# KiCad board fercus-right.kicad_pcb
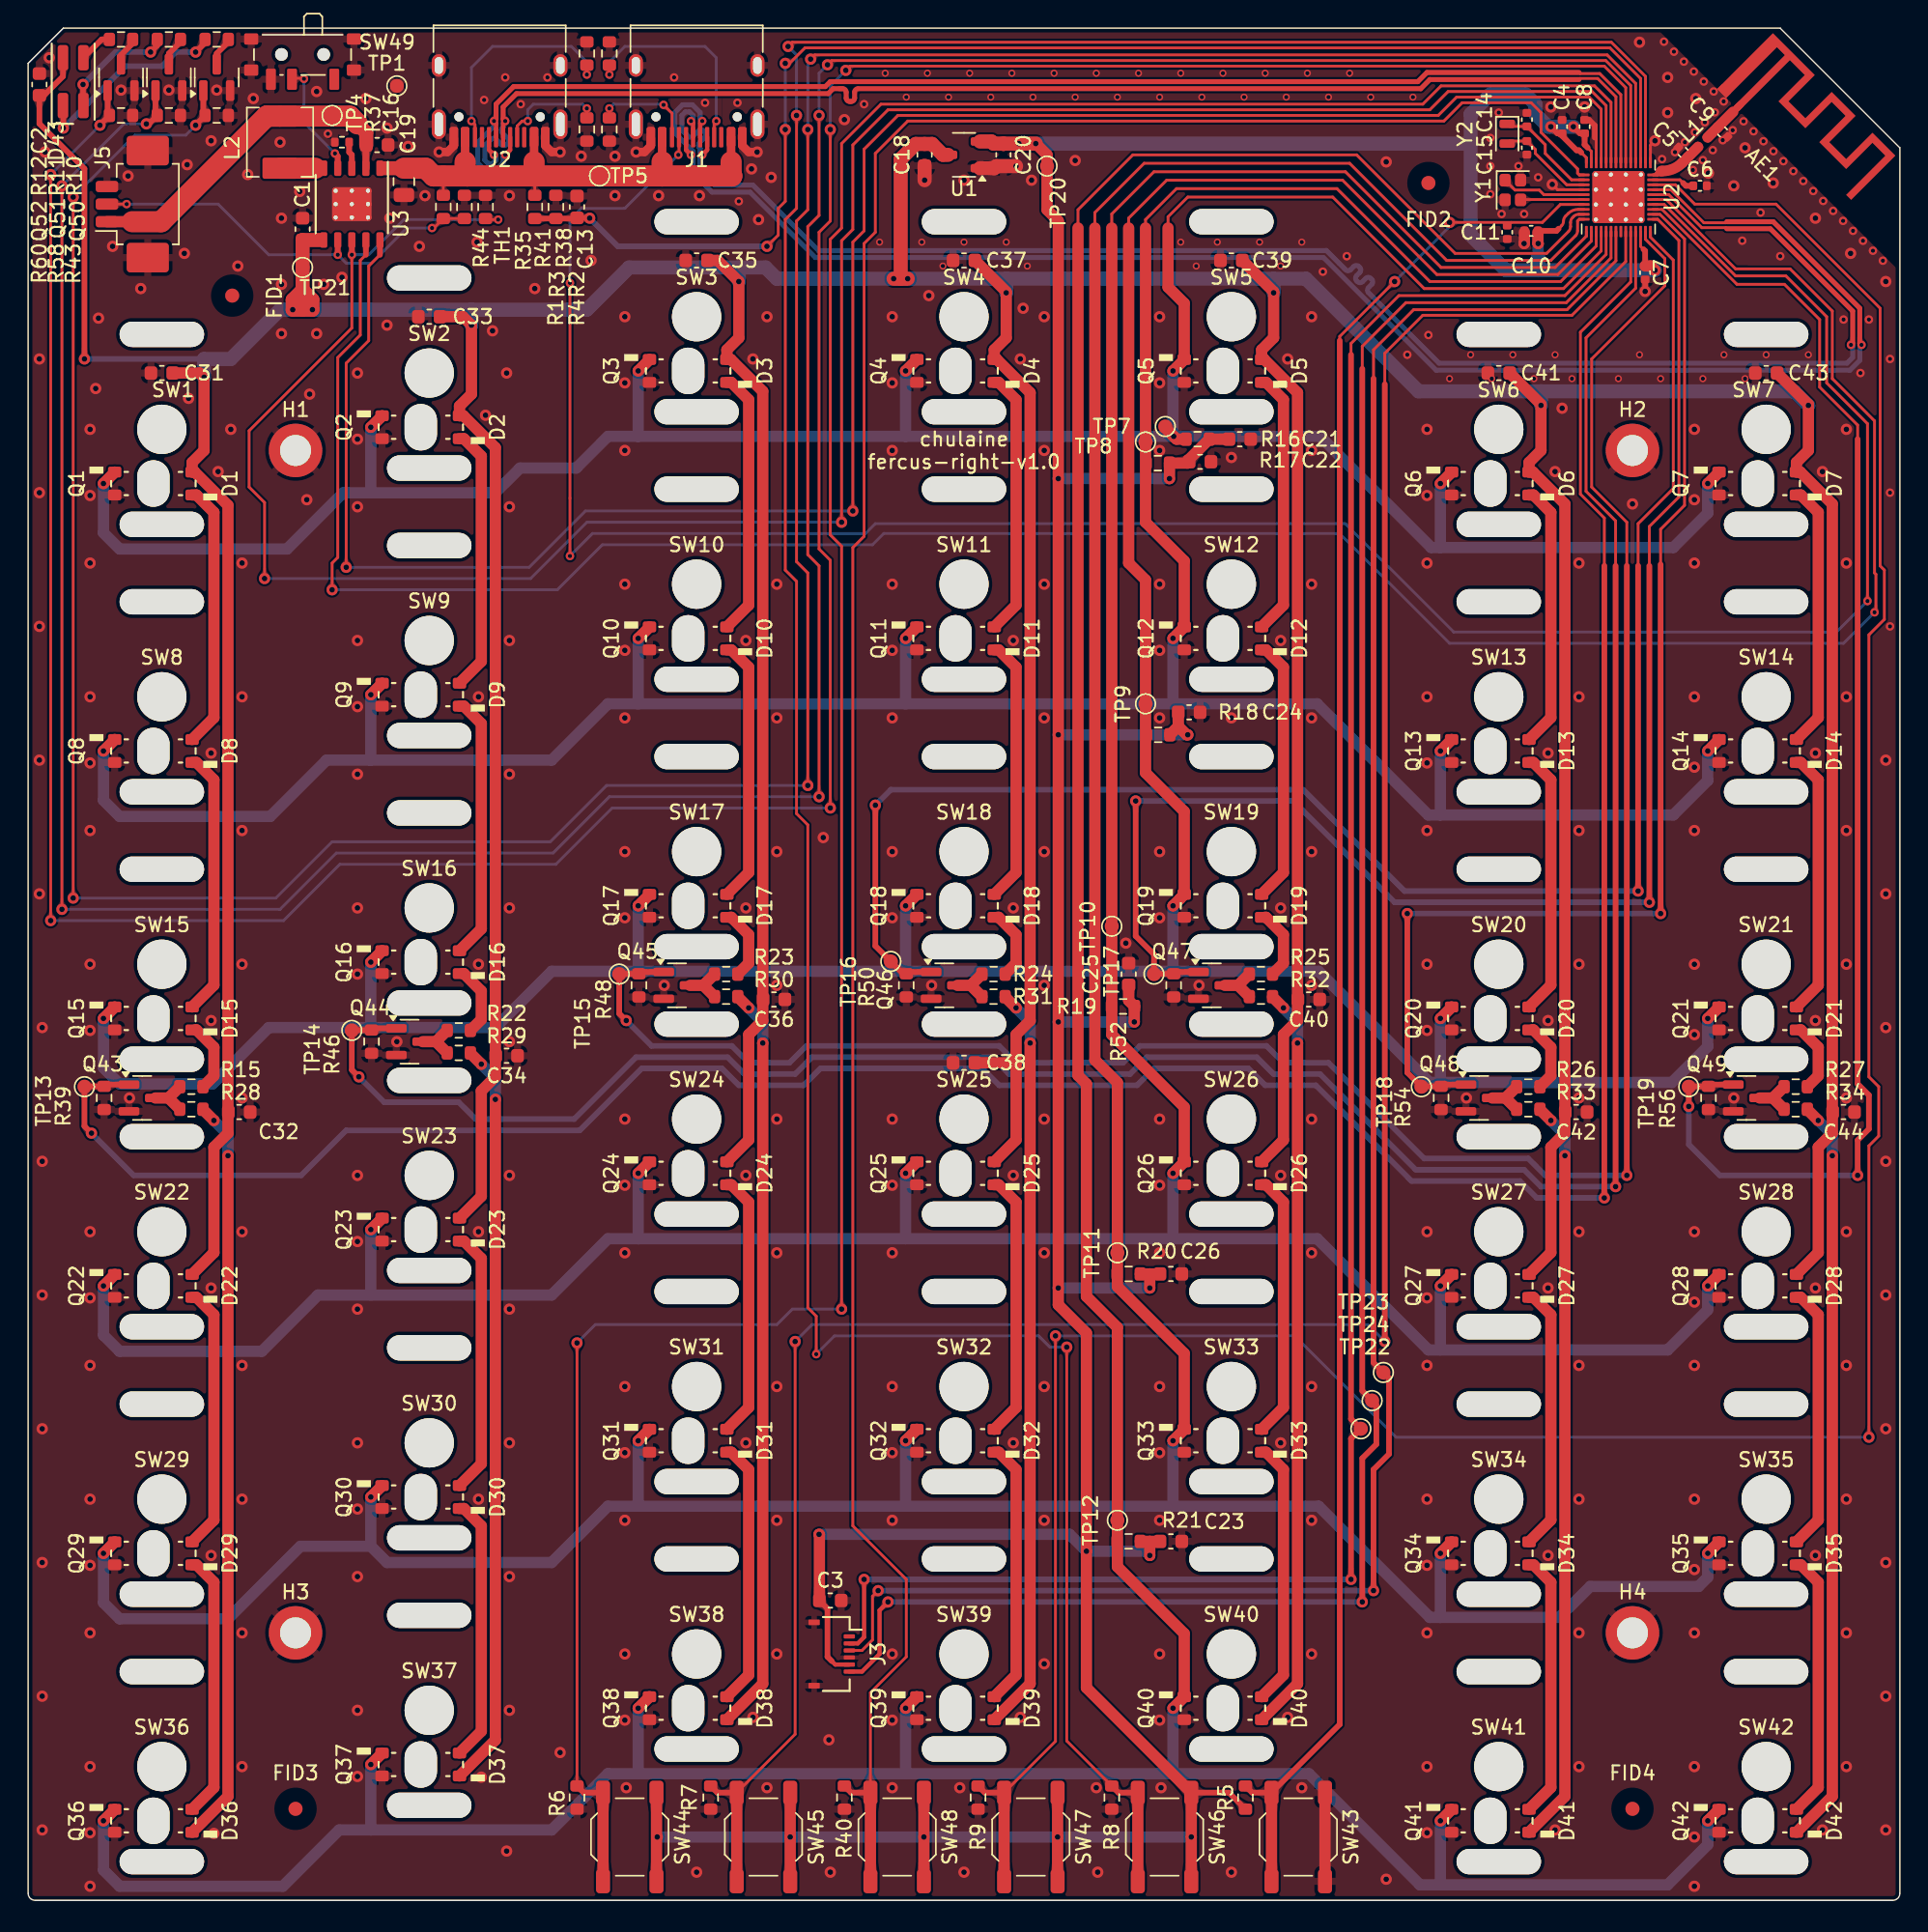
[diagram p0: board, top side]
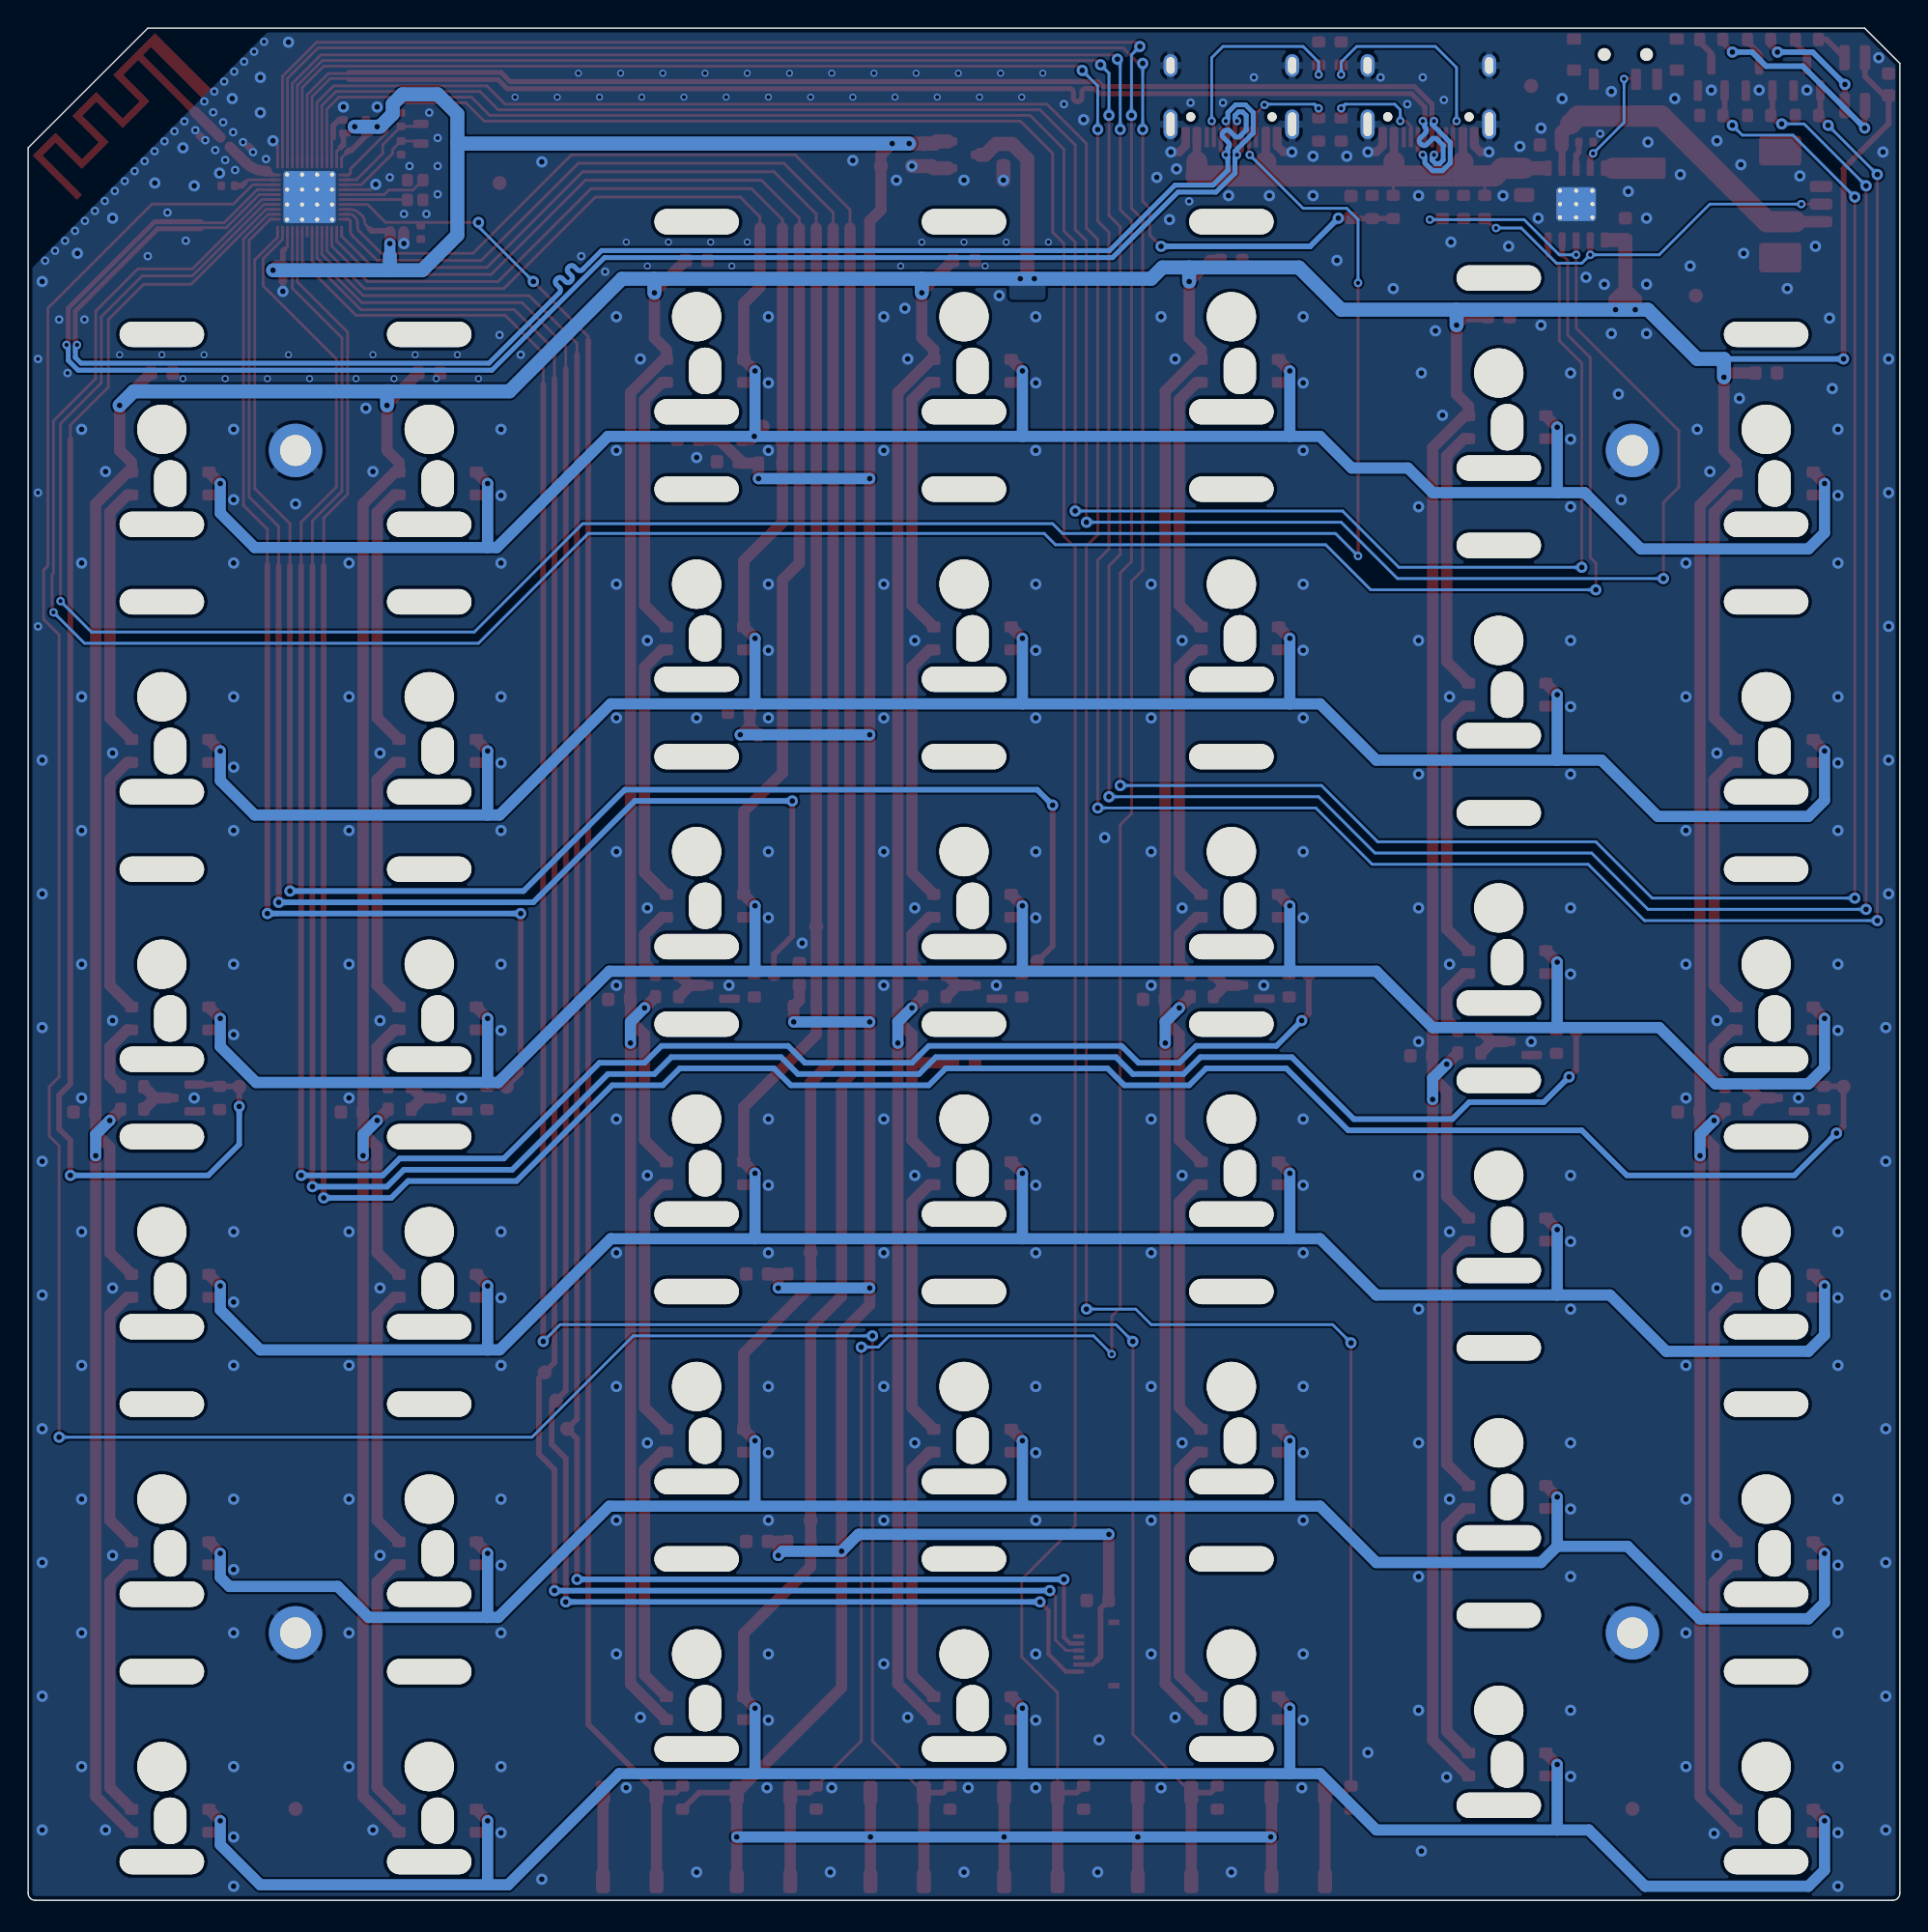
[diagram p1: board, bottom side, seen from below]

Outline 133 x 133 mm; copper layers: Top, Bottom. Coordinates in mm from the lower left corner of the outline.
Outline path: 0,0.5 0,130.5 2.5,133 124.5,133 133,124.5 133,0.5 arc(132.85,0.15) 132.5,0 0.5,0 arc(0.15,0.15) 0,0.5
Stack: Top 0.035mm / dielectric 1.51mm FR4 er 4.5 / Bottom 0.035mm

## Placement (name value [footprint] x y rotation side)
AE1  Antenna_Shield  [WCH_MIFA-1_2.4GHz_1.6mm_FR4_Right]  121.4 127.3 315 top
C1  22uF  [C_0603_1608Metric]  19.5 118.72 90 top
C2  100nF  [C_0603_1608Metric]  0.8 129 90 top
C3  100nF  [C_0603_1608Metric]  57 21.3 0 top
C4  100nF  [C_0402_1005Metric]  109 126 90 top
C5  1.8pF  [C_0402_1005Metric]  117.6 124.18 135 top
C6  1uF  [C_0402_1005Metric]  118.8 121.8 0 top
C7  100nF  [C_0402_1005Metric]  114.9 115.62 270 top
C8  100nF  [C_0402_1005Metric]  110.6 126 90 top
C9  1.8pF  [C_0402_1005Metric]  120.4 125.62 315 top
C10  100nF  [C_0402_1005Metric]  106.8 118.6 180 top
C11  100nF  [C_0402_1005Metric]  105.1 118.5 270 top
C13  100nF  [C_0603_1608Metric]  39 120.3 90 top
C14  12pF  [C_0402_1005Metric]  106.5 126.5 90 top
C15  12pF  [C_0402_1005Metric]  106.5 124.5 270 top
C16  10uF  [C_0603_1608Metric]  24.8 124.7 0 top
C18  1uF  [C_0603_1608Metric]  63.7 124 270 top
C19  10uF  [C_0805_2012Metric]  26.7 122.1 270 top
C20  1uF  [C_0603_1608Metric]  69.3 124 270 top
C21  100nF  [C_0603_1608Metric]  86.1 103.8 0 top
C22  100nF  [C_0603_1608Metric]  83.28 102.2 0 top
C23  100nF  [C_0603_1608Metric]  81.2 25.5 0 top
C24  100nF  [C_0603_1608Metric]  82.5 84.4 0 top
C25  100nF  [C_0603_1608Metric]  78.2 65.8 90 top
C26  100nF  [C_0603_1608Metric]  81.2 44.5 0 top
C31  100nF  [C_0603_1608Metric]  9.5 108.5 0 top
C32  100nF  [C_0603_1608Metric]  15 56 180 top
C33  100nF  [C_0603_1608Metric]  28.5 112.5 0 top
C34  100nF  [C_0603_1608Metric]  34 60 180 top
C35  100nF  [C_0603_1608Metric]  47.5 116.5 0 top
C36  100nF  [C_0603_1608Metric]  53 64 180 top
C37  100nF  [C_0603_1608Metric]  66.5 116.5 0 top
C38  100nF  [C_0603_1608Metric]  66.5 59.5 0 top
C39  100nF  [C_0603_1608Metric]  85.5 116.5 0 top
C40  100nF  [C_0603_1608Metric]  91 64 180 top
C41  100nF  [C_0603_1608Metric]  104.5 108.5 0 top
C42  100nF  [C_0603_1608Metric]  110 56 180 top
C43  100nF  [C_0603_1608Metric]  123.5 108.5 0 top
C44  100nF  [C_0603_1608Metric]  129 56 180 top
D1  KTR-0602IRC-850  [KTR-0602IRC]  11.65 100.65 90 top
D2  KTR-0602IRC-850  [KTR-0602IRC]  30.65 104.65 90 top
D3  KTR-0602IRC-850  [KTR-0602IRC]  49.65 108.65 90 top
D4  KTR-0602IRC-850  [KTR-0602IRC]  68.65 108.65 90 top
D5  KTR-0602IRC-850  [KTR-0602IRC]  87.65 108.65 90 top
D6  KTR-0602IRC-850  [KTR-0602IRC]  106.65 100.65 90 top
D7  KTR-0602IRC-850  [KTR-0602IRC]  125.65 100.65 90 top
D8  KTR-0602IRC-850  [KTR-0602IRC]  11.65 81.65 90 top
D9  KTR-0602IRC-850  [KTR-0602IRC]  30.65 85.65 90 top
D10  KTR-0602IRC-850  [KTR-0602IRC]  49.65 89.65 90 top
D11  KTR-0602IRC-850  [KTR-0602IRC]  68.65 89.65 90 top
D12  KTR-0602IRC-850  [KTR-0602IRC]  87.65 89.65 90 top
D13  KTR-0602IRC-850  [KTR-0602IRC]  106.65 81.65 90 top
D14  KTR-0602IRC-850  [KTR-0602IRC]  125.65 81.65 90 top
D15  KTR-0602IRC-850  [KTR-0602IRC]  11.65 62.65 90 top
D16  KTR-0602IRC-850  [KTR-0602IRC]  30.65 66.65 90 top
D17  KTR-0602IRC-850  [KTR-0602IRC]  49.65 70.65 90 top
D18  KTR-0602IRC-850  [KTR-0602IRC]  68.65 70.65 90 top
D19  KTR-0602IRC-850  [KTR-0602IRC]  87.65 70.65 90 top
D20  KTR-0602IRC-850  [KTR-0602IRC]  106.65 62.65 90 top
D21  KTR-0602IRC-850  [KTR-0602IRC]  125.65 62.65 90 top
D22  KTR-0602IRC-850  [KTR-0602IRC]  11.65 43.65 90 top
D23  KTR-0602IRC-850  [KTR-0602IRC]  30.65 47.65 90 top
D24  KTR-0602IRC-850  [KTR-0602IRC]  49.65 51.65 90 top
D25  KTR-0602IRC-850  [KTR-0602IRC]  68.65 51.65 90 top
D26  KTR-0602IRC-850  [KTR-0602IRC]  87.65 51.65 90 top
D27  KTR-0602IRC-850  [KTR-0602IRC]  106.65 43.65 90 top
D28  KTR-0602IRC-850  [KTR-0602IRC]  125.65 43.65 90 top
D29  KTR-0602IRC-850  [KTR-0602IRC]  11.65 24.65 90 top
D30  KTR-0602IRC-850  [KTR-0602IRC]  30.65 28.65 90 top
D31  KTR-0602IRC-850  [KTR-0602IRC]  49.65 32.65 90 top
D32  KTR-0602IRC-850  [KTR-0602IRC]  68.65 32.65 90 top
D33  KTR-0602IRC-850  [KTR-0602IRC]  87.65 32.65 90 top
D34  KTR-0602IRC-850  [KTR-0602IRC]  106.65 24.65 90 top
D35  KTR-0602IRC-850  [KTR-0602IRC]  125.65 24.65 90 top
D36  KTR-0602IRC-850  [KTR-0602IRC]  11.65 5.65 90 top
D37  KTR-0602IRC-850  [KTR-0602IRC]  30.65 9.65 90 top
D38  KTR-0602IRC-850  [KTR-0602IRC]  49.65 13.65 90 top
D39  KTR-0602IRC-850  [KTR-0602IRC]  68.65 13.65 90 top
D40  KTR-0602IRC-850  [KTR-0602IRC]  87.65 13.65 90 top
D41  KTR-0602IRC-850  [KTR-0602IRC]  106.65 5.65 90 top
D42  KTR-0602IRC-850  [KTR-0602IRC]  125.65 5.65 90 top
D43  LED_RABG  [Everlight_LED_RGB_PLCC-4]  3.2 129.2 90 top
FID1  Fiducial  [Fiducial_1mm_Mask3mm]  14.5 114 270 top
FID2  Fiducial  [Fiducial_1mm_Mask3mm]  99.5 122 0 top
FID3  Fiducial  [Fiducial_1mm_Mask3mm]  19 6.5 0 top
FID4  Fiducial  [Fiducial_1mm_Mask3mm]  114 6.5 0 top
H1  MountingHole  [MountingHole_2.2mm_M2_ISO14580_Pad]  19 103 0 top
H2  MountingHole  [MountingHole_2.2mm_M2_ISO14580_Pad]  114 103 0 top
H3  MountingHole  [MountingHole_2.2mm_M2_ISO14580_Pad]  19 19 0 top
H4  MountingHole  [MountingHole_2.2mm_M2_ISO14580_Pad]  114 19 0 top
J1  USB_C_Receptacle_USB2.0  [USB_C_Receptacle_HRO_TYPE-C-31-M-12]  47.5 129.3 180 top
J2  USB_C_Receptacle_USB2.0  [USB_C_Receptacle_HRO_TYPE-C-31-M-12]  33.5 129.3 180 top
J3  AFH34-S06FIA-1H  [Jushuo_AFC42-S06FMA-1H_1x6-1MP_P0.50_Horizontal]  56.8 17.5 270 top
J5  -  [Molex_PicoBlade_53261-0371_1x03-1MP_P1.25mm_Horizontal]  8 120.5 90 top
L1  1.8nH  [L_0402_1005Metric]  119 124.9 45 top
L2  2.2uH  [L_Sunlord_MWSA0402S]  17.9 124.9 270 top
Q1  -  [KTR-0602PTD]  6.15 100.65 270 top
Q2  -  [KTR-0602PTD]  25.15 104.65 270 top
Q3  -  [KTR-0602PTD]  44.15 108.65 270 top
Q4  -  [KTR-0602PTD]  63.15 108.65 270 top
Q5  -  [KTR-0602PTD]  82.15 108.65 270 top
Q6  -  [KTR-0602PTD]  101.15 100.65 270 top
Q7  -  [KTR-0602PTD]  120.15 100.65 270 top
Q8  -  [KTR-0602PTD]  6.15 81.65 270 top
Q9  -  [KTR-0602PTD]  25.15 85.65 270 top
Q10  -  [KTR-0602PTD]  44.15 89.65 270 top
Q11  -  [KTR-0602PTD]  63.15 89.65 270 top
Q12  -  [KTR-0602PTD]  82.15 89.65 270 top
Q13  -  [KTR-0602PTD]  101.15 81.65 270 top
Q14  -  [KTR-0602PTD]  120.15 81.65 270 top
Q15  -  [KTR-0602PTD]  6.15 62.65 270 top
Q16  -  [KTR-0602PTD]  25.15 66.65 270 top
Q17  -  [KTR-0602PTD]  44.15 70.65 270 top
Q18  -  [KTR-0602PTD]  63.15 70.65 270 top
Q19  -  [KTR-0602PTD]  82.15 70.65 270 top
Q20  -  [KTR-0602PTD]  101.15 62.65 270 top
Q21  -  [KTR-0602PTD]  120.15 62.65 270 top
Q22  -  [KTR-0602PTD]  6.15 43.65 270 top
Q23  -  [KTR-0602PTD]  25.15 47.65 270 top
Q24  -  [KTR-0602PTD]  44.15 51.65 270 top
Q25  -  [KTR-0602PTD]  63.15 51.65 270 top
Q26  -  [KTR-0602PTD]  82.15 51.65 270 top
Q27  -  [KTR-0602PTD]  101.15 43.65 270 top
Q28  -  [KTR-0602PTD]  120.15 43.65 270 top
Q29  -  [KTR-0602PTD]  6.15 24.65 270 top
Q30  -  [KTR-0602PTD]  25.15 28.65 270 top
Q31  -  [KTR-0602PTD]  44.15 32.65 270 top
Q32  -  [KTR-0602PTD]  63.15 32.65 270 top
Q33  -  [KTR-0602PTD]  82.15 32.65 270 top
Q34  -  [KTR-0602PTD]  101.15 24.65 270 top
Q35  -  [KTR-0602PTD]  120.15 24.65 270 top
Q36  -  [KTR-0602PTD]  6.15 5.65 270 top
Q37  -  [KTR-0602PTD]  25.15 9.65 270 top
Q38  -  [KTR-0602PTD]  44.15 13.65 270 top
Q39  -  [KTR-0602PTD]  63.15 13.65 270 top
Q40  -  [KTR-0602PTD]  82.15 13.65 270 top
Q41  -  [KTR-0602PTD]  101.15 5.65 270 top
Q42  -  [KTR-0602PTD]  120.15 5.65 270 top
Q43  BSS138  [SOT-23]  8.1 57 0 top
Q44  BSS138  [SOT-23]  27.1 61 0 top
Q45  BSS138  [SOT-23]  46.1 65 0 top
Q46  BSS138  [SOT-23]  65.1 65 0 top
Q47  BSS138  [SOT-23]  84.1 65 0 top
Q48  BSS138  [SOT-23]  103.1 57 0 top
Q49  BSS138  [SOT-23]  122.1 57 0 top
Q50  BSS138  [SOT-23]  13.4 129.5 90 top
Q51  BSS138  [SOT-23]  10 129.5 90 top
Q52  BSS138  [SOT-23]  6.6 129.5 90 top
R1  5.1kR  [R_0603_1608Metric]  39.7 125.8 90 top
R2  5.1kR  [R_0603_1608Metric]  41.3 131.2 270 top
R3  5.1kR  [R_0603_1608Metric]  39.7 131.2 270 top
R4  5.1kR  [R_0603_1608Metric]  41.3 125.8 90 top
R5  10kR  [R_0603_1608Metric]  86.5 7.3 90 top
R6  10kR  [R_0603_1608Metric]  39 7.3 270 top
R7  10kR  [R_0603_1608Metric]  48.5 7.3 270 top
R8  10kR  [R_0603_1608Metric]  77 7.3 270 top  (not fitted)
R9  10kR  [R_0603_1608Metric]  67.5 7.3 270 top  (not fitted)
R10  150R  [R_0603_1608Metric]  13.4 132.2 180 top
R11  100R  [R_0603_1608Metric]  10 132.2 180 top
R12  100R  [R_0603_1608Metric]  6.6 132.2 180 top
R15  75R  [R_0603_1608Metric]  11.6 57.8 180 top
R16  1kR  [R_0603_1608Metric]  83.1 103.8 180 top
R17  1kR  [R_0603_1608Metric]  80.28 102.1 180 top
R18  1kR  [R_0603_1608Metric]  80.3 82.8 180 top
R19  1kR  [R_0603_1608Metric]  77.8 63.5 180 top
R20  1kR  [R_0603_1608Metric]  78.2 44.5 180 top
R21  1kR  [R_0603_1608Metric]  78.2 25.5 180 top
R22  75R  [R_0603_1608Metric]  30.6 61.8 180 top
R23  75R  [R_0603_1608Metric]  49.6 65.8 180 top
R24  75R  [R_0603_1608Metric]  68.6 65.8 180 top
R25  75R  [R_0603_1608Metric]  87.6 65.8 180 top
R26  75R  [R_0603_1608Metric]  106.6 57.8 180 top
R27  75R  [R_0603_1608Metric]  125.6 57.8 180 top
R28  75R  [R_0603_1608Metric]  11.6 56.2 180 top
R29  75R  [R_0603_1608Metric]  30.6 60.2 180 top
R30  75R  [R_0603_1608Metric]  49.6 64.2 180 top
R31  75R  [R_0603_1608Metric]  68.6 64.2 180 top
R32  75R  [R_0603_1608Metric]  87.6 64.2 180 top
R33  75R  [R_0603_1608Metric]  106.6 56.2 180 top
R34  75R  [R_0603_1608Metric]  125.6 56.2 180 top
R35  30kR  [R_0603_1608Metric]  32.5 120.3 90 top  (not fitted)
R37  2.49kR  [R_0402_1005Metric]  22.3 124.9 180 top
R38  100kR  [R_0603_1608Metric]  37.5 120.3 90 top
R39  100kR  [R_0603_1608Metric]  5.4 57 270 top
R40  10kR  [R_0603_1608Metric]  58 7.3 270 top  (not fitted)
R41  100kR  [R_0603_1608Metric]  36 120.3 270 top
R43  100kR  [R_0603_1608Metric]  13.4 126.8 0 top
R44  10kR  [R_0603_1608Metric]  29.5 120.3 270 top
R46  100kR  [R_0603_1608Metric]  24.4 61 270 top
R48  100kR  [R_0603_1608Metric]  43.4 65 270 top
R50  100kR  [R_0603_1608Metric]  62.4 65 270 top
R52  100kR  [R_0603_1608Metric]  81.4 65 270 top
R54  100kR  [R_0603_1608Metric]  100.4 57 270 top
R56  100kR  [R_0603_1608Metric]  119.4 57 270 top
R58  100kR  [R_0603_1608Metric]  10 126.8 0 top
R60  100kR  [R_0603_1608Metric]  6.6 126.8 0 top
SW1  SW_Optical  [SW_RAESHA_Low_Profile_Optical]  9.5 104.5 0 top
SW2  SW_Optical  [SW_RAESHA_Low_Profile_Optical]  28.5 108.5 0 top
SW3  SW_Optical  [SW_RAESHA_Low_Profile_Optical]  47.5 112.5 0 top
SW4  SW_Optical  [SW_RAESHA_Low_Profile_Optical]  66.5 112.5 0 top
SW5  SW_Optical  [SW_RAESHA_Low_Profile_Optical]  85.5 112.5 0 top
SW6  SW_Optical  [SW_RAESHA_Low_Profile_Optical]  104.5 104.5 0 top
SW7  SW_Optical  [SW_RAESHA_Low_Profile_Optical]  123.5 104.5 0 top
SW8  SW_Optical  [SW_RAESHA_Low_Profile_Optical]  9.5 85.5 0 top
SW9  SW_Optical  [SW_RAESHA_Low_Profile_Optical]  28.5 89.5 0 top
SW10  SW_Optical  [SW_RAESHA_Low_Profile_Optical]  47.5 93.5 0 top
SW11  SW_Optical  [SW_RAESHA_Low_Profile_Optical]  66.5 93.5 0 top
SW12  SW_Optical  [SW_RAESHA_Low_Profile_Optical]  85.5 93.5 0 top
SW13  SW_Optical  [SW_RAESHA_Low_Profile_Optical]  104.5 85.5 0 top
SW14  SW_Optical  [SW_RAESHA_Low_Profile_Optical]  123.5 85.5 0 top
SW15  SW_Optical  [SW_RAESHA_Low_Profile_Optical]  9.5 66.5 0 top
SW16  SW_Optical  [SW_RAESHA_Low_Profile_Optical]  28.5 70.5 0 top
SW17  SW_Optical  [SW_RAESHA_Low_Profile_Optical]  47.5 74.5 0 top
SW18  SW_Optical  [SW_RAESHA_Low_Profile_Optical]  66.5 74.5 0 top
SW19  SW_Optical  [SW_RAESHA_Low_Profile_Optical]  85.5 74.5 0 top
SW20  SW_Optical  [SW_RAESHA_Low_Profile_Optical]  104.5 66.5 0 top
SW21  SW_Optical  [SW_RAESHA_Low_Profile_Optical]  123.5 66.5 0 top
SW22  SW_Optical  [SW_RAESHA_Low_Profile_Optical]  9.5 47.5 0 top
SW23  SW_Optical  [SW_RAESHA_Low_Profile_Optical]  28.5 51.5 0 top
SW24  SW_Optical  [SW_RAESHA_Low_Profile_Optical]  47.5 55.5 0 top
SW25  SW_Optical  [SW_RAESHA_Low_Profile_Optical]  66.5 55.5 0 top
SW26  SW_Optical  [SW_RAESHA_Low_Profile_Optical]  85.5 55.5 0 top
SW27  SW_Optical  [SW_RAESHA_Low_Profile_Optical]  104.5 47.5 0 top
SW28  SW_Optical  [SW_RAESHA_Low_Profile_Optical]  123.5 47.5 0 top
SW29  SW_Optical  [SW_RAESHA_Low_Profile_Optical]  9.5 28.5 0 top
SW30  SW_Optical  [SW_RAESHA_Low_Profile_Optical]  28.5 32.5 0 top
SW31  SW_Optical  [SW_RAESHA_Low_Profile_Optical]  47.5 36.5 0 top
SW32  SW_Optical  [SW_RAESHA_Low_Profile_Optical]  66.5 36.5 0 top
SW33  SW_Optical  [SW_RAESHA_Low_Profile_Optical]  85.5 36.5 0 top
SW34  SW_Optical  [SW_RAESHA_Low_Profile_Optical]  104.5 28.5 0 top
SW35  SW_Optical  [SW_RAESHA_Low_Profile_Optical]  123.5 28.5 0 top
SW36  SW_Optical  [SW_RAESHA_Low_Profile_Optical]  9.5 9.5 0 top
SW37  SW_Optical  [SW_RAESHA_Low_Profile_Optical]  28.5 13.5 0 top
SW38  SW_Optical  [SW_RAESHA_Low_Profile_Optical]  47.5 17.5 0 top
SW39  SW_Optical  [SW_RAESHA_Low_Profile_Optical]  66.5 17.5 0 top
SW40  SW_Optical  [SW_RAESHA_Low_Profile_Optical]  85.5 17.5 0 top
SW41  SW_Optical  [SW_RAESHA_Low_Profile_Optical]  104.5 9.5 0 top
SW42  SW_Optical  [SW_RAESHA_Low_Profile_Optical]  123.5 9.5 0 top
SW43  SW_Push  [SW_SPST_TL3342]  90.25 4.5 270 top
SW44  SW_Push  [SW_SPST_TL3342]  42.75 4.5 270 top
SW45  SW_Push  [SW_SPST_TL3342]  52.25 4.5 270 top
SW46  SW_Push  [SW_SPST_TL3342]  80.75 4.5 270 top
SW47  SW_Push  [SW_SPST_TL3342]  71.25 4.5 270 top
SW48  SW_Push  [SW_SPST_TL3342]  61.75 4.5 270 top
SW49  SW_SPDT  [SW_SPDT_PCM12]  19.5 130.8 180 top
TH1  Thermistor_NTC  [R_0603_1608Metric]  31 120.3 90 top
TP1  TestPoint  [TestPoint_Pad_D1.0mm]  26.2 128.9 0 top
TP4  TestPoint  [TestPoint_Pad_D1.0mm]  21.6 126.8 270 top
TP5  TestPoint  [TestPoint_Pad_D1.0mm]  40.6 122.5 180 top
TP7  TestPoint  [TestPoint_Pad_D1.0mm]  80.8 104.7 270 top
TP8  TestPoint  [TestPoint_Pad_D1.0mm]  79.4 103.6 0 top
TP9  TestPoint  [TestPoint_Pad_D1.0mm]  79.4 85 0 top
TP10  TestPoint  [TestPoint_Pad_D1.0mm]  77 69.2 0 top
TP11  TestPoint  [TestPoint_Pad_D1.0mm]  77.4 46 0 top
TP12  TestPoint  [TestPoint_Pad_D1.0mm]  77.4 27 0 top
TP13  TestPoint  [TestPoint_Pad_D1.0mm]  4 57.8 0 top
TP14  TestPoint  [TestPoint_Pad_D1.0mm]  23 61.8 0 top
TP15  TestPoint  [TestPoint_Pad_D1.0mm]  42 65.8 0 top
TP16  TestPoint  [TestPoint_Pad_D1.0mm]  61.3 66.7 0 top
TP17  TestPoint  [TestPoint_Pad_D1.0mm]  80 65.8 0 top
TP18  TestPoint  [TestPoint_Pad_D1.0mm]  99 57.8 0 top
TP19  TestPoint  [TestPoint_Pad_D1.0mm]  118 57.8 0 top
TP20  TestPoint  [TestPoint_Pad_D1.0mm]  72.4 123.2 180 top
TP21  TestPoint  [TestPoint_Pad_D1.0mm]  19.5 116 180 top
TP22  TestPoint  [TestPoint_Pad_D1.0mm]  94.7 33.5 0 top
TP23  TestPoint  [TestPoint_Pad_D1.0mm]  96.3 37.5 0 top
TP24  TestPoint  [TestPoint_Pad_D1.0mm]  95.5 35.5 0 top
U1  XC6206P332MR  [SOT-23-3]  66.5 124 180 top
U2  CH32V208CBU6  [QFN-48-1EP_5x5mm_P0.35mm_EP3.7x3.7mm_ThermalVias_Drill0.3mm_WCH]  113 121 270 top
U3  ETA9084E10  [SSOP-10-1EP_3.9x4.9mm_P1.00mm_EP2.4x2.8mm_ThermalVias_Drill0.3mm]  23 120.5 270 top
Y1  32MHz  [Crystal_SMD_2016-4Pin_2.0x1.6mm]  105.5 121.5 270 top
Y2  32.768kHz  [Crystal_SMD_2012-2Pin_2.0x1.2mm]  105.1 125.5 270 top

## Library data of the parts
C1-C11 C13-C16 C18-C26 C31-C44 = -: ki_fp_filters: C_*
D1-D42 = -: Description: Light emitting diode; ki_fp_filters: LED* LED_SMD:* LED_THT:*
D43 = -: ki_fp_filters: LED* LED_SMD:* LED_THT:*
FID1-FID4 = -: ki_fp_filters: Fiducial*
H1-H4 = -: ki_fp_filters: MountingHole*Pad*
J1 J2 = -: Datasheet: https://www.usb.org/sites/default/files/documents/usb_type-c.zip; ki_fp_filters: USB*C*Receptacle*
J3 J5 = -: ki_fp_filters: Connector*:*_1x??-1MP*
L1 L2 = -: ki_fp_filters: Choke_* *Coil* Inductor_* L_*
Q1-Q42 = -: Description: NPN phototransistor, emitter/collector
Q43-Q52 = -: Datasheet: https://www.onsemi.com/pub/Collateral/BSS138-D.PDF; ki_fp_filters: SOT?23*
R1-R12 R15-R35 R37-R41 R43 R44 R46 R48 R50 R52 R54 R56 R58 R60 = -: ki_fp_filters: R_*
SW1-SW42 = -: ki_fp_filters: MountingHole*
TH1 = -: ki_fp_filters: *NTC* *Thermistor* PIN?ARRAY* bornier* *Terminal?Block* R_*
TP1 TP4 TP5 TP7-TP24 = -: ki_fp_filters: Pin* Test*
U1 = -: Datasheet: https://www.torexsemi.com/file/xc6206/XC6206.pdf; ki_fp_filters: SOT?23?3*
U2 = -: Datasheet: http://www.wch-ic.com/downloads/CH32V20x_30xDS0_PDF.html
U3 = -: Datasheet: https://datasheets.maximintegrated.com/en/ds/MAX1811.pdf; ki_fp_filters: SOIC*
Y1 Y2 = -: ki_fp_filters: Crystal*
